# Altium PCB eRTM15_Baikal.PcbDoc (part 7 of 7)
Units mm, origin at the board's own origin, x right, y up, seen from the top; angles counter-clockwise.
Board outline 161.5 x 148.5 mm, 8 copper layers (Top Layer, RF_Layer_1, GND_PWR_Plane, RF_Layer_3, RF_Layer_4, GND_PWR_Plane_2, RF_Layer_6, Bottom Layer), stack 1.462 mm thick; 749 components, 528 nets, 2540 pads, 2420 vias.
Unrouted connection lines stored in the file: 24.
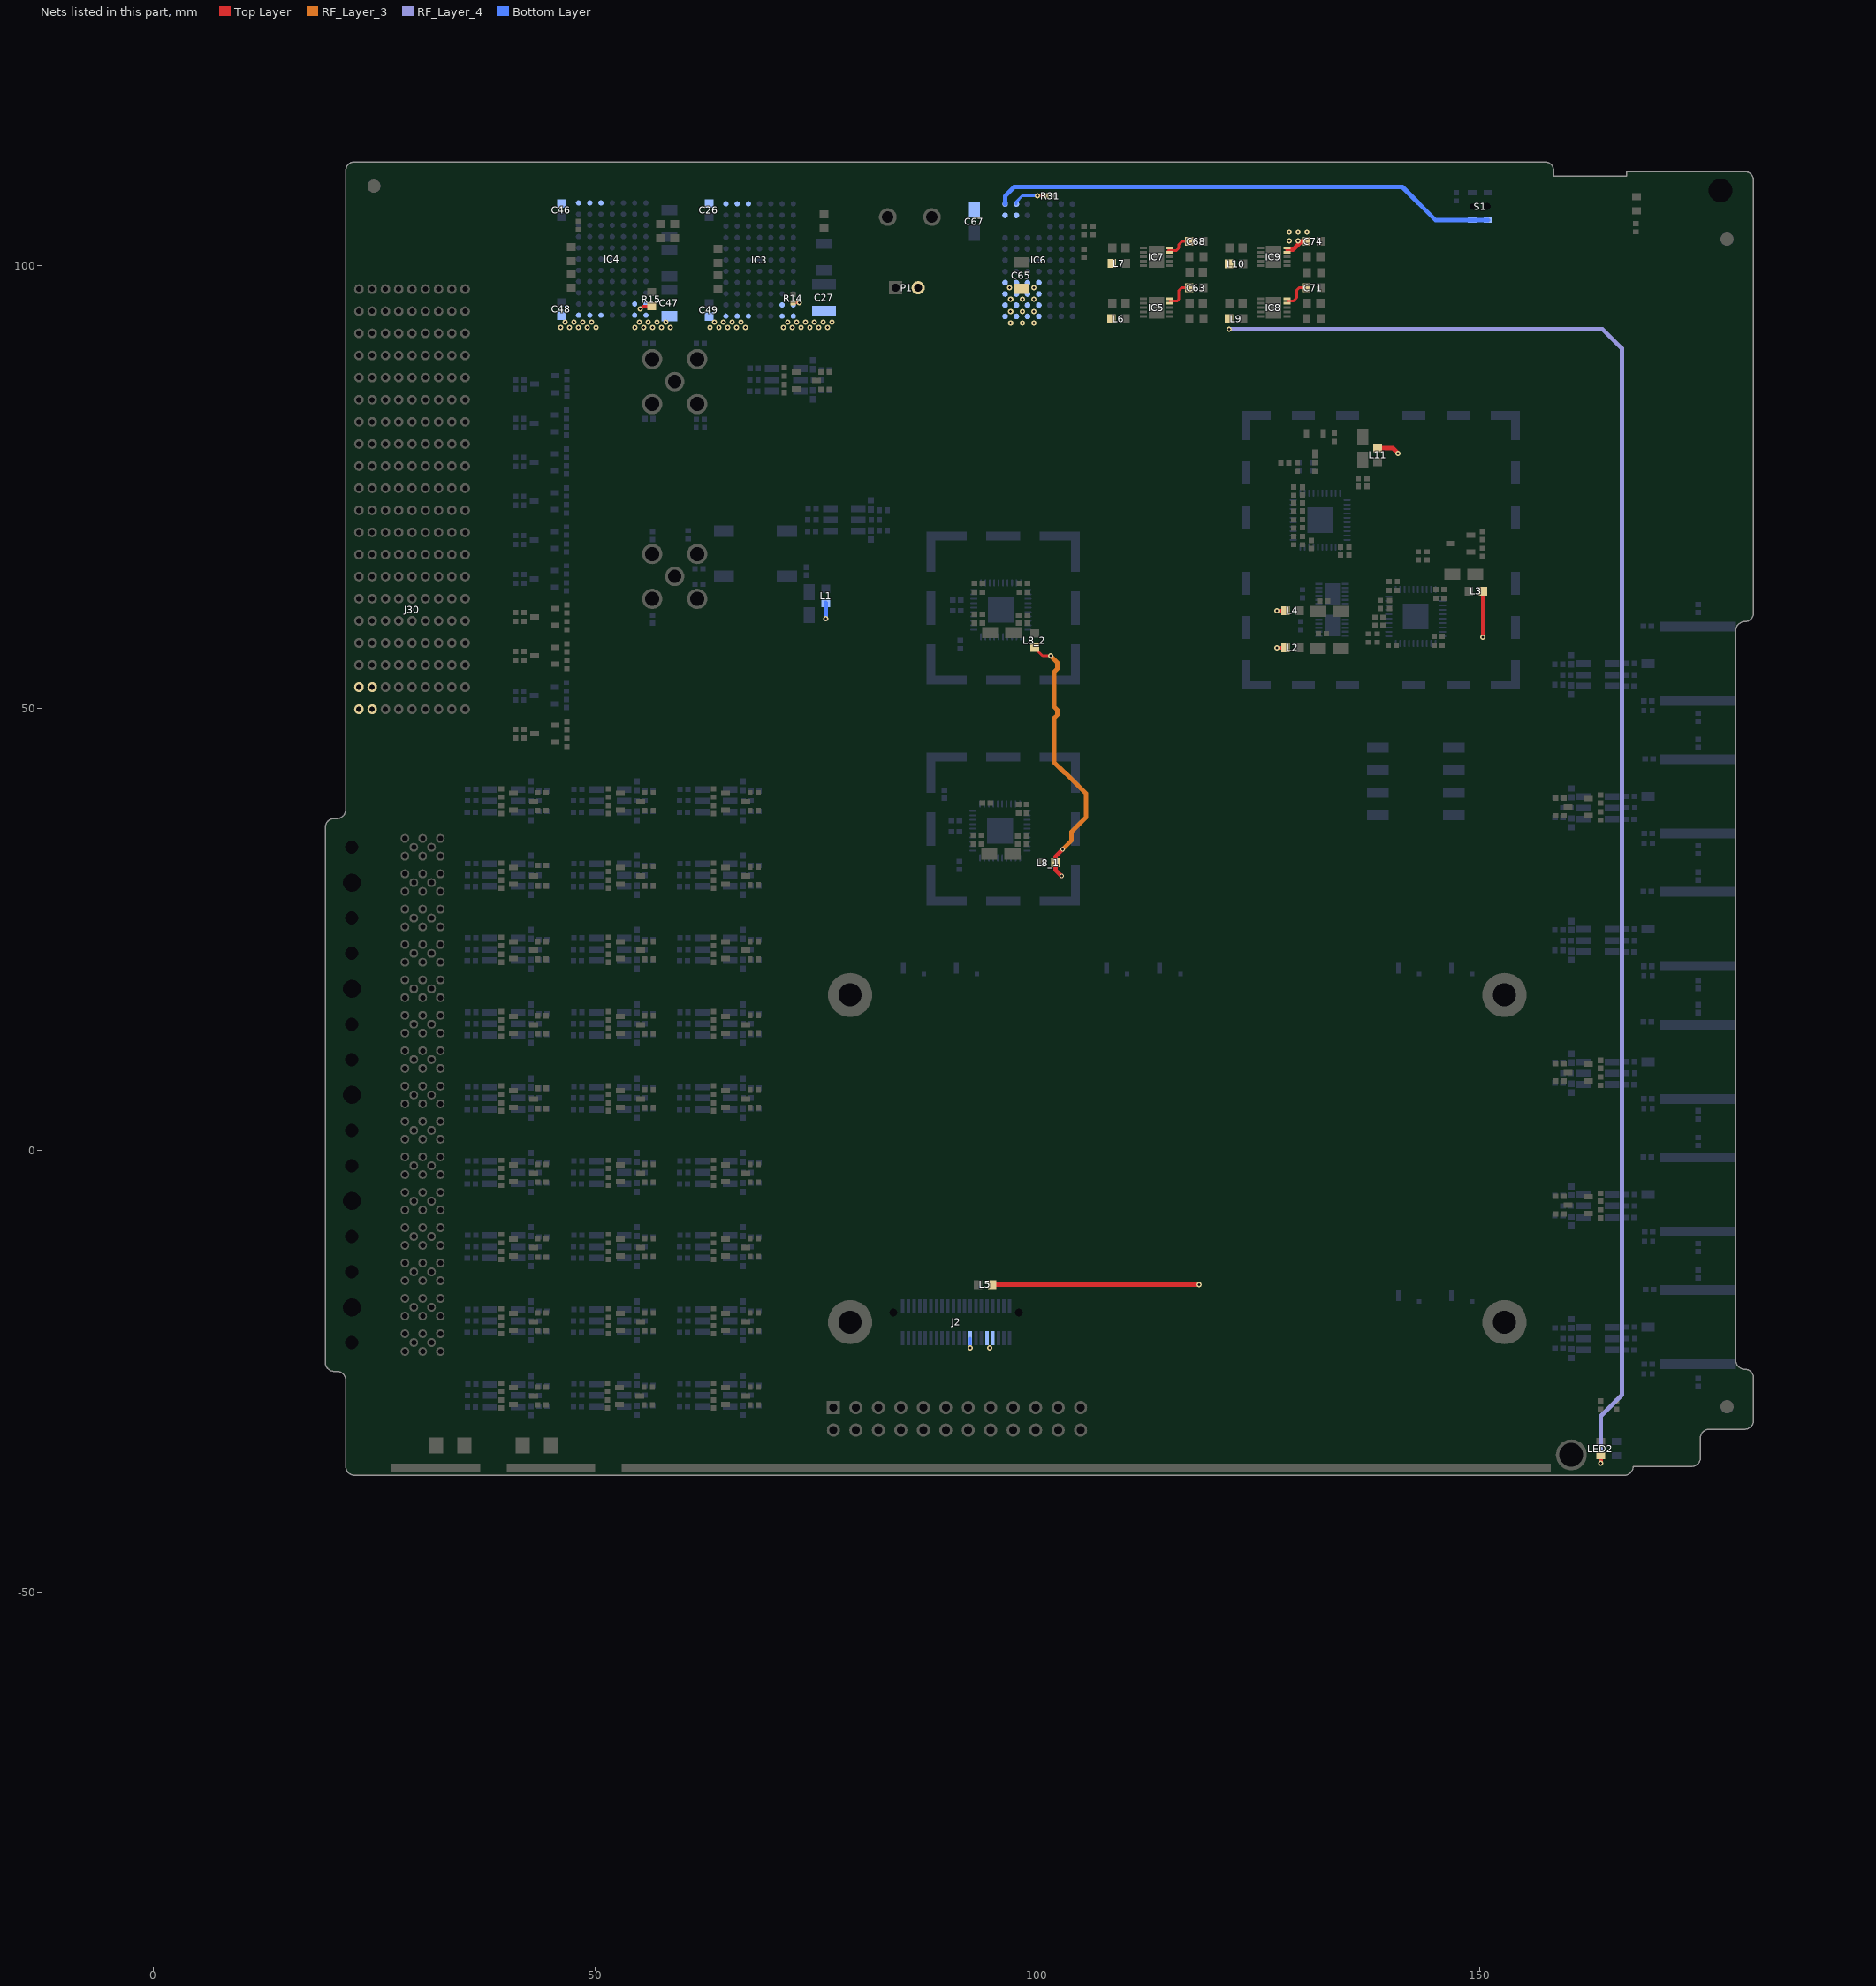
[diagram p13: the nets of this part, all layers, seen from the top]

## Via types
v1: diameter 0.6, hole 0.3, Top Layer to Bottom Layer, 2289 vias
v2: diameter 0.6, hole 0.3, Top Layer to Bottom Layer, tented both sides, 49 vias
v3: diameter 0.5, hole 0.2, Top Layer to Bottom Layer, 36 vias
v4: diameter 0.5, hole 0.3, Top Layer to Bottom Layer, 34 vias
v5: diameter 0.5, hole 0.3, Top Layer to Bottom Layer, tented both sides, 12 vias

## Nets (pads, with @x,y where several pads share a name; then routed paths per layer and width w, separated by ;. In a path a pad name is that pad's centre, name@x,y a point inside that pad or via, vN(x,y) a via of type N, cw(c..) or ccw(c..) an arc to the next point about the centre after c; other vN are vias at no path point) (continued)
VCCP_3V3: C74.2 IC9.9 IC9.10 L1.2 L2.1 L3.2 L4.1 L5.2 L8_1.2 L8_2.2 L11.2 | length 68.5
  Top Layer w0.3: L8_2.2@99.7,56.8 100.6,55.9 v1(101.5,55.9)
  Top Layer w0.381: v1(127.1,56.8) L2.1@128.1,56.8 ; v1(127.1,61) L4.1@128.1,61 ; v1(150.4,58) L3.2@150.4,63.2
  Top Layer w0.5: L5.2@94.9,-15.2 v1(118.3,-15.2) ; v4(102.75,31) 102.05,31.7 L8_1.2@102.05,32.5 102.05,33.2 v4(102.85,34) ; 128.3,101.8 128.9,101.8 129.85,102.75 C74.2@130.45,102.75 ; L11.2@138.5,79.4 140.2,79.4 v1(140.8,78.8)
  RF_Layer_3 w0.5: v1(101.5,55.9) 102.25,55.15 102.25,54.389 101.93,54.07 101.93,50.13 102.25,49.811 102.25,49.189 101.93,48.87 101.93,43.84 103.121,42.65 103.211,42.65 105.512,40.349 105.512,37.643 103.886,36.017 103.886,35.036 v4(102.85,34)
  Bottom Layer w0.5: v1(76.1,60.1) 76.103,60.103 L1.2@76.103,61.87
  other v1: 128.5,102.8 129.5,102.8 128.5,103.8 129.5,103.8 130.5,103.8
VCCP_3V6: C65.1 IC6.A1 IC6.A2 IC6.A3 IC6.A4 IC6.B1 IC6.B2 IC6.B3 IC6.B4 IC6.C1 IC6.C2 IC6.C3 IC6.C4 IC6.D1 IC6.D2 IC6.D3 IC6.D4 L6.1 L7.1 L9.1 L10.1 LED2.1 | length 173.1
  Top Layer w0.5: v1(163.725,-35.375) LED2.1@163.725,-34.55
  RF_Layer_4 w0.5: v1(121.7,92.8) 163.95,92.8 166.1,90.65 166.1,-27.7 163.725,-30.075 v1(163.725,-35.375)
  other v1: 97,93.5 98.3,93.5 99.6,93.5 97,94.8 98.3,94.8 99.6,94.8 97,96.2 98.3,96.2 99.6,96.2 96.9,97.5 99.6,97.5
VCCP_6V0A: C47.2 IC4.K1 IC4.K2 IC4.L1 IC4.L2 J2.31 J2.33 R15.2 | length 1.4
  Top Layer w0.3: v1(55.1,95.1) 55.4,95.4 R15.2@56.4,95.4
  other v1: 94.64,-22.34 54.5,93 55.5,93 56.5,93 57.5,93 58.5,93 55,93.6 56,93.6 57,93.6 58,93.6
VCCP_12V: C26.2 C46.2 C48.2 C49.2 C67.1 IC3.A5 IC3.A6 IC3.A7 IC3.L5 IC3.L6 IC3.L7 IC4.A5 IC4.A6 IC4.A7 IC4.L5 IC4.L6 IC4.L7 IC6.K1 IC6.K2 IC6.L1 IC6.L2 J30.9a J30.9b J30.10a J30.10b P1.2 R31.1 S1.B S1.D | length 61.4
  Top Layer w0.3: v1(100,107.9) R31.1@101.03,107.9
  Bottom Layer w0.3: IC6.L2@97.64,106.97 97.64,107.24 98.3,107.9 v1(100,107.9)
  Bottom Layer w0.5: IC6.L1@96.37,106.97 96.37,107.87 97.4,108.9 141.3,108.9 145.05,105.15 S1.D@149.2,105.15 S1.B@151,105.15
  other v1: 46.1,93 47.1,93 48.1,93 49.1,93 50.1,93 63,93 64,93 65,93 66,93 67,93 46.6,93.6 47.6,93.6 48.6,93.6 49.6,93.6 63.5,93.6 64.5,93.6 65.5,93.6 66.5,93.6
VCCP_12VA: C27.1 IC3.K1 IC3.K2 IC3.L1 IC3.L2 J2.25 R14.2 | length 1.8
  Top Layer w0.3: R14.2@72.4,95.83 73.07,95.83 v1(73.1,95.8)
  Bottom Layer w0.3: J2.25@92.427,-21.24 92.427,-22.327 v1(92.44,-22.34)
  other v1: 71.3,93 72.3,93 73.3,93 74.3,93 75.3,93 76.3,93 71.8,93.6 72.8,93.6 73.8,93.6 74.8,93.6 75.8,93.6 76.8,93.6
VCCP_HFCLK_3V3: C68.2 IC7.9 IC7.10 | length 3.1
  Top Layer w0.3: 114.8,101.7 115.7,101.7 116,102 116,102.4 116.35,102.75 C68.2@117.2,102.75
VCCP_LO_3V3: C71.2 IC8.9 IC8.10 | length 3.2
  Top Layer w0.3: 128.4,96 128.95,96 129.35,96.4 129.35,97.25 129.6,97.5 C71.2@130.45,97.5
VCCP_REF_3V3: C63.2 IC5.9 IC5.10 | length 3.4
  Top Layer w0.3: 115,96 115.8,96 116,96.2 116,97.2 116.3,97.5 C63.2@117.2,97.5
pads on no net: IC3.C7 IC3.D6 IC3.F3 IC3.F4 IC3.G6 IC3.H6 IC3.J7 IC4.C7 IC4.D6 IC4.F3 IC4.F4 IC4.G6 IC4.H6 IC4.J7 IC5.4 IC6.H7 IC6.K3 IC6.K7 IC6.L3 IC7.4 IC8.4 IC9.4 J1_15. J2.19 J2.27 J2.28 J2.34 J2.37 J2.38 J2.39 J2.40 J2.P1 J2.P2 J2_15. J3_15. J4_15. J5_15. J5_15.A/1C J5_15.B/1B J5_15.B/1C J30.1a J30.1b J30.1e J30.1f J30.2c J30.2d J30.2e J30.2f J30.3a J30.3b J30.4a J30.4b J30.4e J30.4f J30.5a J30.5b J30.6a J30.6b J30.6c J30.6d J30.7e J30.7f J30.8a J30.8b J30.8c J30.8d J30.8e J30.8f J30.9c J30.9d J30.9e J30.9f J30.10c J30.10d J30.10e J30.10f J31.1a J31.1b J31.1c J31.1d J31.1e J31.1f J31.2a J31.2b J31.2c J31.4a J31.4b J31.4c J31.4d J31.4e J31.4f J31.5a J31.5b J31.5c J31.5d J31.5e J31.5f J31.6a J31.6b J31.6c J31.6d J31.6e J31.6f J31.7a J31.7b J31.7c J31.7d J31.7e J31.7f J31.8a J31.8b J31.8c J31.8d J31.8e J31.8f J31.9a J31.9b J31.9c J31.9d J31.10a J31.10b J31.10c J31.10d J31.10e J31.10f LED0.1 LED1.1 P2.19 U1.12 U1.13
copper on no net: | length 531.3
  Top Layer w0.2: -9,-42.05 -1,-42.05 ; -9,119.95 -1,119.95 ; -5,-46.05 -5,-38.05 ; -5,115.95 -5,123.95 ; 182,119.95 190,119.95 182,119.95 ; 186,115.95 186,123.95 186,115.95
  Top Layer w0.254: 187.5,119.95 ccw(c186,119.95) 187.5,119.95 ; 187.5,119.95 ccw(c186,119.95) 187.5,119.95 ; 189,119.95 ccw(c186,119.95) 189,119.95 ; 189,119.95 ccw(c186,119.95) 189,119.95 ; -3.5,-42.05 ccw(c-5,-42.05) -3.5,-42.05 ; -3.5,119.95 ccw(c-5,119.95) -3.5,119.95 ; -2,-42.05 ccw(c-5,-42.05) -2,-42.05 ; -2,119.95 ccw(c-5,119.95) -2,119.95
  RF_Layer_1 w0.2: -9,119.95 -1,119.95 ; -5,115.95 -5,123.95 ; 182,119.95 190,119.95 ; 186,115.95 186,123.95 ; -9,-42.05 -1,-42.05 -9,-42.05 ; -5,-46.05 -5,-38.05 -5,-46.05
  RF_Layer_1 w0.254: -3.5,-42.05 ccw(c-5,-42.05) -3.5,-42.05 ; -3.5,-42.05 ccw(c-5,-42.05) -3.5,-42.05 ; -2,-42.05 ccw(c-5,-42.05) -2,-42.05 ; -2,-42.05 ccw(c-5,-42.05) -2,-42.05 ; -3.5,119.95 ccw(c-5,119.95) -3.5,119.95 ; -2,119.95 ccw(c-5,119.95) -2,119.95 ; 187.5,119.95 ccw(c186,119.95) 187.5,119.95 ; 189,119.95 ccw(c186,119.95) 189,119.95
  Bottom Layer w0.2: -9,119.95 -1,119.95 ; -5,115.95 -5,123.95 ; 182,119.95 190,119.95 ; 186,115.95 186,123.95 ; -9,-42.05 -1,-42.05 -9,-42.05 ; -5,-46.05 -5,-38.05 -5,-46.05
  Bottom Layer w0.254: -3.5,-42.05 ccw(c-5,-42.05) -3.5,-42.05 ; -3.5,-42.05 ccw(c-5,-42.05) -3.5,-42.05 ; -2,-42.05 ccw(c-5,-42.05) -2,-42.05 ; -2,-42.05 ccw(c-5,-42.05) -2,-42.05 ; -3.5,119.95 ccw(c-5,119.95) -3.5,119.95 ; -2,119.95 ccw(c-5,119.95) -2,119.95 ; 187.5,119.95 ccw(c186,119.95) 187.5,119.95 ; 189,119.95 ccw(c186,119.95) 189,119.95

## Polygon pours and split planes (outlines as drawn)
GND on RF_Layer_1 "MidLayer1_GND_Poly" (solid, remove dead copper, pour order 57): 19.5,-24 ccw(c20.5,-24) 20.5,-25 20.8,-25 cw(c20.8,-26) 21.8,-26 21.8,-35.75 ccw(c22.8,-35.75) 22.8,-36.75 166.4,-36.75 166.404,-36.751 ccw(c166.404,-35.751) 167.404,-35.751 174.004,-35.751 ccw(c174.004,-34.751) 175.004,-34.751 175,-34.751 175,-32.55 cw(c176,-32.55) 176,-31.55 180,-31.55 ccw(c180,-30.55) 181,-30.55 181,-25.75 ccw(c180,-25.75) 180,-24.75 cw(c180,-23.75) 179,-23.75 179,58.75 cw(c180,58.75) 180,59.75 ccw(c180,60.75) 181,60.75 181,109.65 181.001,109.649 ccw(c180.001,109.649) 180.001,110.649 180,110.65 166.65,110.65 166.65,110.149 158.4,110.149 158.4,110.75 ccw(c157.4,110.75) 157.4,111.75 22.8,111.75 ccw(c22.8,110.75) 21.8,110.75 21.8,38.5 cw(c20.8,38.5) 20.8,37.5 20.5,37.5 ccw(c20.5,36.5) 19.5,36.5
GND on RF_Layer_1 "MidLayer1-GND" (solid, pour order 42): 19.5,-24 ccw(c20.5,-24) 20.5,-25 20.8,-25 cw(c20.8,-26) 21.8,-26 21.8,-35.75 ccw(c22.8,-35.75) 22.8,-36.75 166.4,-36.75 166.404,-36.751 ccw(c166.404,-35.751) 167.404,-35.751 174.004,-35.751 ccw(c174.004,-34.751) 175.004,-34.751 175.004,-32.546 175,-32.55 cw(c176,-32.55) 176,-31.55 180,-31.55 ccw(c180,-30.55) 181,-30.55 181,-25.75 ccw(c180,-25.75) 180,-24.75 cw(c180,-23.75) 179,-23.75 179,58.75 cw(c180,58.75) 180,59.75 ccw(c180,60.75) 181,60.75 181,109.65 ccw(c180,109.65) 180,110.65 166.65,110.65 166.65,110.649 166.65,110.149 158.4,110.149 158.4,110.75 ccw(c157.4,110.75) 157.4,111.75 22.8,111.75 ccw(c22.8,110.75) 21.8,110.75 21.8,38.5 cw(c20.8,38.5) 20.8,37.5 20.5,37.5 ccw(c20.5,36.5) 19.5,36.5
GND on RF_Layer_3 "MidLayer3_GND_Poly" (solid, remove dead copper, pour order 59): 19.5,-24 ccw(c20.5,-24) 20.5,-25 20.8,-25 cw(c20.8,-26) 21.8,-26 21.8,-35.75 ccw(c22.8,-35.75) 22.8,-36.75 166.4,-36.75 166.404,-36.751 ccw(c166.404,-35.751) 167.404,-35.751 174.004,-35.751 ccw(c174.004,-34.751) 175.004,-34.751 175,-34.751 175,-32.55 cw(c176,-32.55) 176,-31.55 180,-31.55 ccw(c180,-30.55) 181,-30.55 181,-25.75 ccw(c180,-25.75) 180,-24.75 cw(c180,-23.75) 179,-23.75 179,58.75 cw(c180,58.75) 180,59.75 ccw(c180,60.75) 181,60.75 181,109.65 181.001,109.649 ccw(c180.001,109.649) 180.001,110.649 180,110.65 166.65,110.65 166.65,110.149 158.4,110.149 158.4,110.75 ccw(c157.4,110.75) 157.4,111.75 22.8,111.75 ccw(c22.8,110.75) 21.8,110.75 21.8,38.5 cw(c20.8,38.5) 20.8,37.5 20.5,37.5 ccw(c20.5,36.5) 19.5,36.5
GND on RF_Layer_3 "MidLayer3-GND" (solid, pour order 45): 19.5,-24 ccw(c20.5,-24) 20.5,-25 20.8,-25 cw(c20.8,-26) 21.8,-26 21.8,-35.75 ccw(c22.8,-35.75) 22.8,-36.75 166.4,-36.75 166.404,-36.751 ccw(c166.404,-35.751) 167.404,-35.751 174.004,-35.751 ccw(c174.004,-34.751) 175.004,-34.751 175.004,-32.546 175,-32.55 cw(c176,-32.55) 176,-31.55 180,-31.55 ccw(c180,-30.55) 181,-30.55 181,-25.75 ccw(c180,-25.75) 180,-24.75 cw(c180,-23.75) 179,-23.75 179,58.75 cw(c180,58.75) 180,59.75 ccw(c180,60.75) 181,60.75 181,109.65 ccw(c180,109.65) 180,110.65 166.65,110.65 166.65,110.649 166.65,110.149 158.4,110.149 158.4,110.75 ccw(c157.4,110.75) 157.4,111.75 22.8,111.75 ccw(c22.8,110.75) 21.8,110.75 21.8,38.5 cw(c20.8,38.5) 20.8,37.5 20.5,37.5 ccw(c20.5,36.5) 19.5,36.5
no net on Top Layer "Top_Layer_GND_Poly" (solid, remove dead copper, pour order 53): 19.5,-24 ccw(c20.5,-24) 20.5,-25 20.8,-25 cw(c20.8,-26) 21.8,-26 21.8,-35.75 ccw(c22.8,-35.75) 22.8,-36.75 166.4,-36.75 166.404,-36.751 ccw(c166.404,-35.751) 167.404,-35.751 174.004,-35.751 ccw(c174.004,-34.751) 175.004,-34.751 175,-34.751 175,-32.55 cw(c176,-32.55) 176,-31.55 180,-31.55 ccw(c180,-30.55) 181,-30.55 181,-25.75 ccw(c180,-25.75) 180,-24.75 cw(c180,-23.75) 179,-23.75 179,58.75 cw(c180,58.75) 180,59.75 ccw(c180,60.75) 181,60.75 181,109.65 181.001,109.649 ccw(c180.001,109.649) 180.001,110.649 180,110.65 166.65,110.65 166.65,110.149 158.4,110.149 158.4,110.75 ccw(c157.4,110.75) 157.4,111.75 22.8,111.75 ccw(c22.8,110.75) 21.8,110.75 21.8,38.5 cw(c20.8,38.5) 20.8,37.5 20.5,37.5 ccw(c20.5,36.5) 19.5,36.5
GND on Top Layer "Top Layer-GND" (solid, pour order 37): 19.5,-24 ccw(c20.5,-24) 20.5,-25 20.8,-25 cw(c20.8,-26) 21.8,-26 21.8,-35.75 ccw(c22.8,-35.75) 22.8,-36.75 166.4,-36.75 166.404,-36.751 ccw(c166.404,-35.751) 167.404,-35.751 174.004,-35.751 ccw(c174.004,-34.751) 175.004,-34.751 175.004,-32.546 175,-32.55 cw(c176,-32.55) 176,-31.55 180,-31.55 ccw(c180,-30.55) 181,-30.55 181,-25.75 ccw(c180,-25.75) 180,-24.75 cw(c180,-23.75) 179,-23.75 179,58.75 cw(c180,58.75) 180,59.75 ccw(c180,60.75) 181,60.75 181,109.65 ccw(c180,109.65) 180,110.65 166.65,110.65 166.65,110.649 166.65,110.149 158.4,110.149 158.4,110.75 ccw(c157.4,110.75) 157.4,111.75 22.8,111.75 ccw(c22.8,110.75) 21.8,110.75 21.8,38.5 cw(c20.8,38.5) 20.8,37.5 20.5,37.5 ccw(c20.5,36.5) 19.5,36.5
GND on RF_Layer_4 "MidLayer4_GND_Poly" (solid, remove dead copper, pour order 61): 19.5,-24 ccw(c20.5,-24) 20.5,-25 20.8,-25 cw(c20.8,-26) 21.8,-26 21.8,-35.75 ccw(c22.8,-35.75) 22.8,-36.75 166.4,-36.75 166.404,-36.751 ccw(c166.404,-35.751) 167.404,-35.751 174.004,-35.751 ccw(c174.004,-34.751) 175.004,-34.751 175,-34.751 175,-32.55 cw(c176,-32.55) 176,-31.55 180,-31.55 ccw(c180,-30.55) 181,-30.55 181,-25.75 ccw(c180,-25.75) 180,-24.75 cw(c180,-23.75) 179,-23.75 179,58.75 cw(c180,58.75) 180,59.75 ccw(c180,60.75) 181,60.75 181,109.65 181.001,109.649 ccw(c180.001,109.649) 180.001,110.649 180,110.65 166.65,110.65 166.65,110.149 158.4,110.149 158.4,110.75 ccw(c157.4,110.75) 157.4,111.75 22.8,111.75 ccw(c22.8,110.75) 21.8,110.75 21.8,38.5 cw(c20.8,38.5) 20.8,37.5 20.5,37.5 ccw(c20.5,36.5) 19.5,36.5
GND on RF_Layer_4 "MidLayer4-GND" (solid, pour order 46): 19.5,-24 ccw(c20.5,-24) 20.5,-25 20.8,-25 cw(c20.8,-26) 21.8,-26 21.8,-35.75 ccw(c22.8,-35.75) 22.8,-36.75 166.4,-36.75 166.404,-36.751 ccw(c166.404,-35.751) 167.404,-35.751 174.004,-35.751 ccw(c174.004,-34.751) 175.004,-34.751 175.004,-32.546 175,-32.55 cw(c176,-32.55) 176,-31.55 180,-31.55 ccw(c180,-30.55) 181,-30.55 181,-25.75 ccw(c180,-25.75) 180,-24.75 cw(c180,-23.75) 179,-23.75 179,58.75 cw(c180,58.75) 180,59.75 ccw(c180,60.75) 181,60.75 181,109.65 ccw(c180,109.65) 180,110.65 166.65,110.65 166.65,110.649 166.65,110.149 158.4,110.149 158.4,110.75 ccw(c157.4,110.75) 157.4,111.75 22.8,111.75 ccw(c22.8,110.75) 21.8,110.75 21.8,38.5 cw(c20.8,38.5) 20.8,37.5 20.5,37.5 ccw(c20.5,36.5) 19.5,36.5
GND on RF_Layer_6 "MidLayer6_GND_Poly" (solid, remove dead copper, pour order 65): 19.5,-24 ccw(c20.5,-24) 20.5,-25 20.8,-25 cw(c20.8,-26) 21.8,-26 21.8,-35.75 ccw(c22.8,-35.75) 22.8,-36.75 166.4,-36.75 166.404,-36.751 ccw(c166.404,-35.751) 167.404,-35.751 174.004,-35.751 ccw(c174.004,-34.751) 175.004,-34.751 175,-34.751 175,-32.55 cw(c176,-32.55) 176,-31.55 180,-31.55 ccw(c180,-30.55) 181,-30.55 181,-25.75 ccw(c180,-25.75) 180,-24.75 cw(c180,-23.75) 179,-23.75 179,58.75 cw(c180,58.75) 180,59.75 ccw(c180,60.75) 181,60.75 181,109.65 181.001,109.649 ccw(c180.001,109.649) 180.001,110.649 180,110.65 166.65,110.65 166.65,110.149 158.4,110.149 158.4,110.75 ccw(c157.4,110.75) 157.4,111.75 22.8,111.75 ccw(c22.8,110.75) 21.8,110.75 21.8,38.5 cw(c20.8,38.5) 20.8,37.5 20.5,37.5 ccw(c20.5,36.5) 19.5,36.5
GND on RF_Layer_6 "MidLayer6-GND" (solid, pour order 49): 19.5,-24 ccw(c20.5,-24) 20.5,-25 20.8,-25 cw(c20.8,-26) 21.8,-26 21.8,-35.75 ccw(c22.8,-35.75) 22.8,-36.75 166.4,-36.75 166.404,-36.751 ccw(c166.404,-35.751) 167.404,-35.751 174.004,-35.751 ccw(c174.004,-34.751) 175.004,-34.751 175.004,-32.546 175,-32.55 cw(c176,-32.55) 176,-31.55 180,-31.55 ccw(c180,-30.55) 181,-30.55 181,-25.75 ccw(c180,-25.75) 180,-24.75 cw(c180,-23.75) 179,-23.75 179,58.75 cw(c180,58.75) 180,59.75 ccw(c180,60.75) 181,60.75 181,109.65 ccw(c180,109.65) 180,110.65 166.65,110.65 166.65,110.649 166.65,110.149 158.4,110.149 158.4,110.75 ccw(c157.4,110.75) 157.4,111.75 22.8,111.75 ccw(c22.8,110.75) 21.8,110.75 21.8,38.5 cw(c20.8,38.5) 20.8,37.5 20.5,37.5 ccw(c20.5,36.5) 19.5,36.5
GND on Bottom Layer "BottomLayer_GND_Poly" (solid, remove dead copper, pour order 67): 19.5,-24 ccw(c20.5,-24) 20.5,-25 20.8,-25 cw(c20.8,-26) 21.8,-26 21.8,-35.75 ccw(c22.8,-35.75) 22.8,-36.75 166.4,-36.75 166.404,-36.751 ccw(c166.404,-35.751) 167.404,-35.751 174.004,-35.751 ccw(c174.004,-34.751) 175.004,-34.751 175,-34.751 175,-32.55 cw(c176,-32.55) 176,-31.55 180,-31.55 ccw(c180,-30.55) 181,-30.55 181,-25.75 ccw(c180,-25.75) 180,-24.75 cw(c180,-23.75) 179,-23.75 179,58.75 cw(c180,58.75) 180,59.75 ccw(c180,60.75) 181,60.75 181,109.65 181.001,109.649 ccw(c180.001,109.649) 180.001,110.649 180,110.65 166.65,110.65 166.65,110.149 158.4,110.149 158.4,110.75 ccw(c157.4,110.75) 157.4,111.75 22.8,111.75 ccw(c22.8,110.75) 21.8,110.75 21.8,38.5 cw(c20.8,38.5) 20.8,37.5 20.5,37.5 ccw(c20.5,36.5) 19.5,36.5
GND on Bottom Layer "Bottom Layer-GND" (solid, pour order 50): 19.5,-24 ccw(c20.5,-24) 20.5,-25 20.8,-25 cw(c20.8,-26) 21.8,-26 21.8,-35.75 ccw(c22.8,-35.75) 22.8,-36.75 166.4,-36.75 166.404,-36.751 ccw(c166.404,-35.751) 167.404,-35.751 174.004,-35.751 ccw(c174.004,-34.751) 175.004,-34.751 175.004,-32.546 175,-32.55 cw(c176,-32.55) 176,-31.55 180,-31.55 ccw(c180,-30.55) 181,-30.55 181,-25.75 ccw(c180,-25.75) 180,-24.75 cw(c180,-23.75) 179,-23.75 179,58.75 cw(c180,58.75) 180,59.75 ccw(c180,60.75) 181,60.75 181,109.65 ccw(c180,109.65) 180,110.65 166.65,110.65 166.65,110.649 166.65,110.149 158.4,110.149 158.4,110.75 ccw(c157.4,110.75) 157.4,111.75 22.8,111.75 ccw(c22.8,110.75) 21.8,110.75 21.8,38.5 cw(c20.8,38.5) 20.8,37.5 20.5,37.5 ccw(c20.5,36.5) 19.5,36.5
VCCP_3V3 on GND_PWR_Plane (split plane): 142.771,80.1 142.78,80.05 142.808,80.008 142.85,79.98 142.9,79.971 151.371,79.971 151.371,59.5 151.371,53.329 74.829,53.329 74.829,62.371 77.271,62.371 77.271,58.5 77.28,58.45 77.308,58.408 77.35,58.38 77.4,58.371 100.271,58.371 100.271,56.8 100.28,56.75 100.308,56.708 100.35,56.68 100.4,56.671 105.1,56.671 105.15,56.68 105.192,56.708 105.22,56.75 105.229,56.8 105.229,61.671 130.071,61.671 130.071,59.5 130.08,59.45 130.108,59.408 130.15,59.38 130.2,59.371 148.2,59.371 148.25,59.38 148.292,59.408 148.32,59.45 148.329,59.5 148.329,77.5 148.32,77.55 148.292,77.592 148.25,77.62 148.2,77.629 139.829,77.629 139.829,80.1 139.829,99.8 139.82,99.85 139.792,99.892 139.75,99.92 139.7,99.929 126.929,99.929 126.929,105.071 142.771,105.071
VCCP_12V on GND_PWR_Plane (split plane): 87.871,90.229 25.7,90.229 25.65,90.22 25.608,90.192 25.58,90.15 25.571,90.1 25.571,48.429 22.729,48.429 22.729,94.171 51.371,94.171 51.371,92.3 51.38,92.25 51.408,92.208 51.45,92.18 51.5,92.171 62.1,92.171 62.15,92.18 62.192,92.208 62.22,92.25 62.229,92.3 62.229,94.271 68.471,94.271 68.471,92.4 68.48,92.35 68.508,92.308 68.55,92.28 68.6,92.271 85.5,92.271 85.55,92.28 85.592,92.308 85.62,92.35 85.629,92.4 85.629,93.9 85.629,98.871 87.871,98.871
GND on GND_PWR_Plane (split plane): 644 vertices, not listed, extent 20.01,-36.241 180.49,111.24
VCCP_3V3 on GND_PWR_Plane_2 (split plane): 119.599,55.711 119.593,55.707 119.569,55.676 119.554,55.639 119.549,55.6 119.554,55.561 119.569,55.524 119.571,55.522 119.571,-16.471 115.529,-16.471 115.529,-13.829 117.522,-13.829 117.524,-13.831 117.561,-13.846 117.6,-13.851 117.639,-13.846 117.676,-13.831 117.707,-13.807 117.731,-13.776 117.746,-13.739 117.751,-13.7 117.751,29.25 117.746,29.289 117.731,29.326 117.707,29.357 117.676,29.381 117.639,29.396 117.6,29.401 101.651,29.401 101.651,34.849 117.6,34.849 117.639,34.854 117.676,34.869 117.707,34.893 117.731,34.924 117.746,34.961 117.751,35 117.751,53.5 117.746,53.539 117.731,53.576 117.707,53.607 117.676,53.631 117.639,53.646 117.6,53.651 100.651,53.651 100.651,57.599 119.599,57.599
VCCN_12VA on GND_PWR_Plane_2 (split plane): 80.171,24.6 80.18,24.55 80.208,24.508 80.25,24.48 80.3,24.471 94.371,24.471 94.371,-16.371 93.1,-16.371 93.05,-16.38 93.008,-16.408 92.98,-16.45 92.971,-16.5 92.971,-19.671 91.829,-19.671 91.829,-18.2 91.829,-15.829 93,-15.829 93.05,-15.82 93.092,-15.792 93.12,-15.75 93.129,-15.7 93.129,22.7 93.12,22.75 93.092,22.792 93.05,22.82 93,22.829 78.029,22.829 78.029,100.7 78.02,100.75 77.992,100.792 77.95,100.82 77.9,100.829 72.829,100.829 72.829,103.071 80.171,103.071
VCCP_12VA on GND_PWR_Plane_2 (split plane): 77.771,22.7 77.78,22.65 77.808,22.608 77.85,22.58 77.9,22.571 92.871,22.571 92.871,-15.571 91.7,-15.571 91.65,-15.58 91.608,-15.608 91.58,-15.65 91.571,-15.7 91.571,-18.2 91.571,-19.8 91.58,-19.85 91.608,-19.892 91.65,-19.92 91.7,-19.929 92.971,-19.929 92.971,-22.871 89.629,-22.871 89.629,-12.129 91.9,-12.129 91.95,-12.12 91.992,-12.092 92.02,-12.05 92.029,-12 92.029,21.5 92.02,21.55 91.992,21.592 91.95,21.62 91.9,21.629 76.929,21.629 76.929,89.2 76.92,89.25 76.892,89.292 76.85,89.32 76.8,89.329 70.429,89.329 70.429,94.071 77.771,94.071
VCCN_6V0A on GND_PWR_Plane_2 (split plane): 85.171,102.1 85.18,102.05 85.198,102.024 85.198,95.702 84.476,95.702 84.45,95.72 84.4,95.729 84.35,95.72 84.308,95.692 84.28,95.65 84.271,95.6 84.271,69.329 83.4,69.329 83.35,69.32 83.308,69.292 83.28,69.25 83.271,69.2 83.271,26.9 83.28,26.85 83.308,26.808 83.35,26.78 83.4,26.771 97.171,26.771 97.171,-18.046 95.346,-19.871 93.929,-19.871 93.929,-18.654 96.092,-16.492 96.12,-16.45 96.129,-16.4 96.129,26 96.12,26.05 96.092,26.092 96.05,26.12 96,26.129 82.029,26.129 82.029,95.476 82.05,95.48 82.092,95.508 82.12,95.55 82.129,95.6 82.129,102.1 82.12,102.15 82.092,102.192 82.05,102.22 82.029,102.224 82.029,106.1 82.02,106.15 81.992,106.192 81.95,106.22 81.9,106.229 61.1,106.229 61.05,106.22 61.008,106.192 60.98,106.15 60.971,106.1 60.971,101.629 56.529,101.629 56.529,108.071 85.171,108.071
VCCP_6V0A on GND_PWR_Plane_2 (split plane): 81.771,26 81.78,25.95 81.808,25.908 81.85,25.88 81.9,25.871 95.871,25.871 95.871,-16.346 93.708,-18.508 93.68,-18.55 93.671,-18.6 93.671,-20 93.68,-20.05 93.708,-20.092 93.75,-20.12 93.8,-20.129 95.271,-20.129 95.271,-22.871 93.229,-22.871 93.229,-19.8 93.229,-16.629 94.5,-16.629 94.55,-16.62 94.592,-16.592 94.62,-16.55 94.629,-16.5 94.629,24.6 94.62,24.65 94.592,24.692 94.55,24.72 94.5,24.729 80.429,24.729 80.429,103.2 80.42,103.25 80.392,103.292 80.35,103.32 80.3,103.329 72.7,103.329 72.65,103.32 72.608,103.292 72.58,103.25 72.571,103.2 72.571,100.7 72.58,100.65 72.608,100.608 72.65,100.58 72.7,100.571 77.771,100.571 77.771,94.329 70.429,94.329 70.429,95 70.42,95.05 70.392,95.092 70.35,95.12 70.3,95.129 60.2,95.129 60.15,95.12 60.108,95.092 60.08,95.05 60.071,95 60.071,91.929 53.629,91.929 53.629,96.671 71.1,96.671 71.15,96.68 71.192,96.708 71.22,96.75 71.229,96.8 71.229,105.971 81.771,105.971
GND on GND_PWR_Plane_2 (split plane): 644 vertices, not listed, extent 20.01,-36.241 180.49,111.24

## Keep-outs
Keep-Out Layer:
  circle w0.254: c-5,119.95 r3
  circle w0.254: c-5,119.95 r1.5
  circle w0.254: c186,119.95 r3
  circle w0.254: c186,119.95 r1.5
  circle w0.254: c-5,-42.05 r3
  circle w0.254: c-5,-42.05 r1.5
  lines w0.05: 166.4,-36.75 22.8,-36.75 cw(c22.8,-35.75) 21.8,-35.75 21.8,-26 ccw(c20.8,-26) 20.8,-25 20.5,-25 cw(c20.5,-24) 19.5,-24 19.5,36.5 cw(c20.5,36.5) 20.5,37.5 20.8,37.5 ccw(c20.8,38.5) 21.8,38.5 21.8,47.35 21.8,49.35 21.8,108 21.8,110 21.8,110.75 cw(c22.8,110.75) 22.8,111.75 157.4,111.75 cw(c157.4,110.75) 158.4,110.75 158.4,110.149 166.65,110.149 166.65,110.65 180,110.65 180.001,110.649 cw(c180.001,109.649) 181.001,109.649 ; 166.404,-36.751 ccw(c166.404,-35.751) 167.404,-35.751 174.004,-35.751 ccw(c174.004,-34.751) 175.004,-34.751 ; 175,-34.751 175,-32.55 cw(c176,-32.55) 176,-31.55 ; 175.981,-31.55 180,-31.55 ; 180,-31.55 ccw(c180,-30.55) 181,-30.55 181,-25.75 ccw(c180,-25.75) 180,-24.75 cw(c180,-23.75) 179,-23.75 179,58.75 cw(c180,58.75) 180,59.75 ccw(c180,60.75) 181,60.75 181,109.65 ; 154.904,106.149 cw(c154.904,106.949) 154.904,107.749 163.904,107.749 cw(c163.904,106.949) 163.904,106.149 154.904,106.149
  lines w0.2: -9,-42.05 -1,-42.05 ; -9,119.95 -1,119.95 ; -5,-46.05 -5,-38.05 ; -5,115.95 -5,123.95 ; 182,119.95 190,119.95 ; 186,115.95 186,123.95
  text ".Layer_Name" at 1,137.95 h1.5

## Other copper
Top Layer:
  rectangle net NetC22_1: 129.2,60.3 132.7,61.5
  rectangle net VCCP_3V6: 120,93.6 121,100.8
  rectangle net VCCP_3V6: 108.4,92 122.3,92.8
  rectangle net VCCP_3V6: 106.6,93.4 107.7,99.6
  rectangle net VCCP_3V6: 120,92.2 122.3,94.6
  rectangle net VCCP_3V6: 120,98.4 122.3,100.8
  rectangle net VCCP_3V6: 96.4,92 109,94.6
  rectangle net VCCP_3V6: 106.6,98.5 109,100.9
  rectangle net VCCP_REF_3V3: 114.6,95.6 115.4,96.4
  rectangle net NetC66_2: 116.6,93.5 117.8,96.3
  rectangle net NetC64_2: 109.4,95.1 112.4,96.4
  rectangle net NetC64_2: 109.4,93.4 110.6,96.4
  rectangle net NetC69_2: 109.7,100.9 112.4,102.1
  rectangle net NetC69_2: 109.5,99.7 110.6,102.5
  rectangle net NetC70_2: 116.7,98.7 117.8,101.6
  rectangle net VCCP_HFCLK_3V3: 114.6,101.4 115.4,102.3
  rectangle net NetC73_2: 130,93.5 131,96.3
  rectangle net NetC72_2: 122.7,95.25 125.25,96.3
  rectangle net NetC72_2: 122.7,93.5 123.8,96.3
  rectangle net NetC72_2: 124.9,95.1 125.6,96.4
  rectangle net VCCP_LO_3V3: 127.9,95.7 128.6,96.4
  rectangle net VCCP_3V3: 127.9,101.4 128.6,102.1
  rectangle net NetC75_2: 123.3,100.9 125.6,102.1
  rectangle net NetC75_2: 122.8,99.7 123.9,102.5
  rectangle net NetC76_2: 130,98.7 131,101.5
  rectangle net VCCP_3V6: 96.4,94 100.2,98
  rectangle net NetIC6_J7: 104.9,104.1 106.7,105.5
  rectangle net VCCN_6V0A: 56.8,101.5 60.5,103.6
  rectangle net NetIC4_C1: 56.8,104.1 60.5,105.2
  rectangle net NetJ17_1: 80.4,95.9 85.5,108
  rectangle net NetESD1_1: 31.2,-36 32.8,-32.5
  rectangle net NetESD2_1: 44.2,-36 45.8,-32.5
  region net NetC52_2_1: 96.4,57.9 96.4,59.2 96.5,59.3 97.3,59.3 97.5,59.5 97.5,59.8 97.6,59.9 100.1,59.9 100.2,59.8 100.2,57.9 100.1,57.8 96.5,57.8
  region net VCCP_3V3: 127.9,101.4 127.9,103.9 128.3,104.3 130.8,104.3 131,104.1 131,102.2 130.9,102.1 129.6,102.1 128.9,101.4
  pour cut-out: 21.8,-35.2 53,-35.2 53,-36.75 21.8,-36.75
  region net NetC52_1_1: 96.25,34.25 97,34.25 97.5,34.75 99.25,34.75 99.5,34.5 99.5,33.5 100,33 101,33 101,32 97.25,32 96.25,33
  text ".Layer_Name" at 1.25,138.325 h1.5
  text "sprawdzic reguly projektowe / sprawdzic zgodnosc ze schematem / -- uklady U3 maja piny od 14 do 17 nigdzie nie dolaczone. Gdzie to ma byc ?? / dopasowac reguly projektowe do minimalnej liczby naruszen / przygotowac raport impedancyjny" at 207.8,100.9 h1
RF_Layer_1:
  text ".Layer_Name" at 1.25,138.325 h1.5
RF_Layer_3:
  text "poprawic pozycje LEDow" at 154.5,-40 h1
Bottom Layer:
  rectangle net NetC50_2_2: 92.5,60.3 93.2,60.9
  rectangle net NetC51_2_2: 92.5,62.3 93.2,62.9
  rectangle net VCCP_12V: 41.6,106.6 47,109.8
  rectangle net VCCP_12V: 41.6,92.5 43.6,108.6
  rectangle net VCCP_12V: 41.6,92.5 45.7,94.8
  rectangle net VCCP_12V: 45.7,107.9 67.8,109.8
  rectangle net VCCP_12V: 89.5,105.1 95,107.5
  rectangle net VCCP_12V: 89.5,95.9 91.9,107.5
  rectangle net VCCP_12V: 85.5,95.9 91.5,99
  rectangle net VCCP_3V6: 95.7,93 100.7,98.5
  rectangle net VCCP_12V: 91.7,105.1 98,107.5
  rectangle net VCCN_12VA: 70.7,101.5 77,103.5
  rectangle net VCCP_12V: 62.4,106.6 67.8,108.6
  rectangle net VCCP_12V: 22.7,49.2 25.4,53
  region net VCCP_6V0A: 95.14,-20.54 94.14,-20.54 94.14,-22.64 95.14,-22.64
  rectangle net VCCP_12V: 45.7,92.5 51,94.8
  rectangle net VCCP_6V0A: 54,92.5 56.4,96
  rectangle net VCCP_12V: 45.7,106.6 51,108.6
  rectangle net VCCN_6V0A: 54,101.5 59.2,103.7
  rectangle net VCCP_6V0A: 56.4,92.5 59.3,94.9
  rectangle net VCCP_12V: 62.4,92.5 67.8,94.7
  rectangle net VCCP_12VA: 70.7,92.5 77.3,96
  rectangle net NetC51_1_2: 92.413,37.25 93,37.85
  rectangle net NetC6_2: 169.25,-25.75 175,-24
  rectangle net NetC6_2: 169.5,-16.25 175.25,-14.5
  rectangle net NetC5_2: 169.25,-10.75 175,-9
  rectangle net NetC5_2: 169.25,-1 175,0.75
  rectangle net NetC4_2: 169.25,4.25 175,6
  rectangle net NetC4_2: 169.25,14 175,15.75
  rectangle net NetC3_2: 169.25,19.25 175,21
  rectangle net NetC3_2: 169.25,29 175,30.75
  rectangle net NetC2_2: 169.25,34.25 175,36
  rectangle net NetC2_2: 169.5,44 175.25,45.75
  rectangle net NetC1_2: 169.25,49.25 175,51
  rectangle net NetC1_2: 169.25,59 175,60.75
  region net NetC37_1: 61.75,91.55 56.25,91.55 56.25,89.3 61.75,89.3
  region net NetC37_1: 61.75,84.55 56.25,84.55 56.25,81.3 61.75,81.3
  rectangle net NetC50_1_2: 92.4,35.3 93.1,35.9
  pour cut-out: 56.315,84.26 56.315,89.34 61.5,89.34 61.5,84.26
  pour cut-out: 56.463,67.41 61.543,67.41 61.543,62.33 56.463,62.33
  region net NetC18_1: 145.1,63.1 145.1,63.85 146.4,65.15 147,64.55 147,64 146.5,63.5 146.5,63 146.1,62.6 145.6,62.6
  region net NetC18_1: 145,57.5 145,57.6 145.5,58.1 146.458,58.1 146.75,57.808 146.7,57.758 146.7,57.3 145.05,57.3
  region net NetC52_2_1: 98.1,58.4 98.2,58.4 98.7,58.9 98.75,58.85 99.35,58.85 99.6,58.6 99.6,57.8 99.3,57.5 98.4,57.5 98.1,57.8
  region net NetC52_2_1: 98.1,63.9 98.1,64.4 98.4,64.7 99.9,64.7 99.4,64.2 99.4,63.5 99.2,63.3 98.7,63.3
  region net NetC52_1_1: 99.2,38.4 100,39.2 100,40.25 98.95,40.25 98.1,39.4 98.1,38.7 98.45,38.35
  region net NetC52_1_1: 98,32.7 99.186,32.7 99.368,32.882 99.368,33.632 99.15,33.85 98.242,33.85 98.05,33.658
  region net IN_SEL_1: 92.47,32.67 93,33.2 93,33.9 92.1,33.9 91.8,33.6 91.8,33.27 91.2,32.67
  text ".Layer_Name" at 1.25,138.325 h1.5
GND_PWR_Plane (plane layer: these items are gaps in the copper):
  lines w0.254: 45.2,90.1 88,90.1 88,99 85.5,99 85.5,93.9 85.5,92.4 68.6,92.4 68.6,94.4 62.1,94.4 62.1,92.3 51.5,92.3 51.5,94.3 45.2,94.3 ; 45.5,94.3 22.6,94.3 22.6,48.3 25.7,48.3 25.7,90.1 46.7,90.1 ; 139.7,80 139.7,99.8 126.8,99.8 126.8,105.2 143.3,105.2 ; 139.7,80.1 139.7,77.5 148.2,77.5 148.2,59.5 130.2,59.5 130.2,61.8 105.1,61.8 105.1,56.8 100.4,56.8 100.4,58.5 77.4,58.5 77.4,62.5 74.7,62.5 74.7,53.2 151.5,53.2 151.5,53.3 151.5,59.5 151.5,80.1 142.9,80.1 142.9,105.292 143.392,105.292
GND_PWR_Plane_2 (plane layer: these items are gaps in the copper):
  lines w0.2: 84.4,95.6 85.4,95.6 85.3,95.7 85.3,102.1
  lines w0.254: 77.9,94.2 70.3,94.2 ; 82,95.6 82,102.1 ; 84.4,95.6 84.4,69.2 83.4,69.2 83.4,26.9 97.3,26.9 97.3,-18.1 95.4,-20 ; 85.3,102.1 85.3,108.2 56.4,108.2 56.4,101.5 61.1,101.5 61.1,106.1 71.1,106.1 ; 117.6,-13.7 115.4,-13.7 115.4,-16.6 117.3,-16.6 119.7,-16.6 119.7,55.6 ; 70.3,94.2 70.3,95 60.2,95 60.2,91.8 53.5,91.8 53.5,96.8 71.1,96.8 71.1,106.1 ; 70.3,94.2 70.3,89.2 76.8,89.2 76.8,21.5 91.9,21.5 91.9,-12 89.5,-12 89.5,-23 93.1,-23 ; 71.1,106.1 81.9,106.1 81.9,26 96,26 96,-16.4 93.8,-18.6 93.8,-20 95.4,-20 ; 93.1,-23 93.1,-19.8 ; 93.1,-23 95.4,-23 95.4,-20 ; 93.1,-19.8 93.1,-16.5 94.5,-16.5 94.5,24.6 82.1,24.6 80.3,24.6 80.3,103.2 72.7,103.2 72.7,100.7 77.9,100.7 77.9,22.7 82.1,22.7 93,22.7 93,-15.7 91.7,-15.7 91.7,-18.2 91.7,-19.8 93.1,-19.8
  lines w0.3: 117.6,-13.7 117.6,29.25 101.5,29.25 101.5,35 117.6,35 117.6,53.5 100.5,53.5 100.5,57.75 117.6,57.75 119.75,57.75 119.75,55.6 119.7,55.6

## Silkscreen, mask and mechanical layers (free items; w line width, h text height)
Top Overlay:
  drawing of 1229 lines, arcs and shapes, not listed
  text ".Layer_Name" at 1.25,138.325 h1.5
  text "eRTM15 Baikal" at 114.25,10.75 h1.52
  text "Rev. 1.0" at 106.25,6.75 h1
Bottom Overlay:
  circle w0.254: c-5,-42.05 r1.5
  circle w0.254: c-5,-42.05 r3
  circle w0.254: c186,119.95 r1.5
  circle w0.254: c186,119.95 r3
  circle w0.254: c-5,119.95 r1.5
  circle w0.254: c-5,119.95 r3
  lines w0.2: -9,-42.05 -1,-42.05 ; -9,119.95 -1,119.95 ; -5,-46.05 -5,-38.05 ; -5,115.95 -5,123.95 ; 182,119.95 190,119.95 ; 186,115.95 186,123.95
  lines w0.5: 75.84,-22.44 75.84,20.56 155.84,20.56 155.84,-22.44 75.84,-22.44
  text ".Layer_Name" at 1,137.95 h1.5
  text "POWER" at 90.75,93.75 h1.52
  text "REF IN" at 167.5,47 h1.52
  text "IN_SEL" at 135.75,44.75 h1.52
  text "IN_SEL_2" at 135.75,42.25 h1.52
  text "IN_SEL_1" at 135.75,39.75 h1.52
  text "EN CLK MEZZ." at 135.75,37.25 h1.52
  text "REF OUT" at 167.5,31.75 h1.52
  text "HF CLK IN" at 169.75,17 h1.52
  text "HF CLK OUT" at 171.25,2 h1.52
  text "LO OUT" at 167.5,-12.25 h1.52
  text "LO IN" at 167.5,-28 h1.52
Top Paste:
  circle w0.254: c-5,-42.05 r1.5
  circle w0.254: c-5,-42.05 r3
  circle w0.254: c186,119.95 r1.5
  circle w0.254: c186,119.95 r3
  circle w0.254: c-5,119.95 r1.5
  circle w0.254: c-5,119.95 r3
  lines w0.2: -9,-42.05 -1,-42.05 ; -9,119.95 -1,119.95 ; -5,-46.05 -5,-38.05 ; -5,115.95 -5,123.95 ; 182,119.95 190,119.95 ; 186,115.95 186,123.95
  text ".Layer_Name" at 1.25,138.325 h1.5
Bottom Paste:
  circle w0.254: c-5,-42.05 r1.5
  circle w0.254: c-5,-42.05 r3
  circle w0.254: c186,119.95 r1.5
  circle w0.254: c186,119.95 r3
  circle w0.254: c-5,119.95 r1.5
  circle w0.254: c-5,119.95 r3
  lines w0.2: -9,-42.05 -1,-42.05 ; -9,119.95 -1,119.95 ; -5,-46.05 -5,-38.05 ; -5,115.95 -5,123.95 ; 182,119.95 190,119.95 ; 186,115.95 186,123.95
  text ".Layer_Name" at 1.25,138.325 h1.5
Top Solder:
  circle w0.254: c-5,-42.05 r1.5
  circle w0.254: c-5,-42.05 r3
  circle w0.254: c-5,-42.05 r1.5
  circle w0.254: c-5,-42.05 r3
  circle w0.254: c-5,-42.05 r1.5
  circle w0.254: c-5,-42.05 r3
  circle w0.254: c186,119.95 r1.5
  circle w0.254: c186,119.95 r3
  circle w0.254: c-5,119.95 r1.5
  circle w0.254: c-5,119.95 r3
  lines w0.2: -9,119.95 -1,119.95 ; -5,115.95 -5,123.95 ; 182,119.95 190,119.95 ; 186,115.95 186,123.95 ; -9,-42.05 -1,-42.05 ; -9,-42.05 -1,-42.05 ; -9,-42.05 -1,-42.05 ; -5,-46.05 -5,-38.05 ; -5,-46.05 -5,-38.05 ; -5,-46.05 -5,-38.05
  text ".Layer_Name" at 1.25,138.325 h1.5
Bottom Solder:
  circle w0.254: c-5,-42.05 r1.5
  circle w0.254: c-5,-42.05 r3
  circle w0.254: c186,119.95 r1.5
  circle w0.254: c186,119.95 r3
  circle w0.254: c-5,119.95 r1.5
  circle w0.254: c-5,119.95 r3
  lines w0.2: -9,-42.05 -1,-42.05 ; -9,119.95 -1,119.95 ; -5,-46.05 -5,-38.05 ; -5,115.95 -5,123.95 ; 182,119.95 190,119.95 ; 186,115.95 186,123.95
  text ".Layer_Name" at 1.25,138.325 h1.5
Drill Guide:
  circle w0.254: c-5,-42.05 r1.5
  circle w0.254: c-5,-42.05 r3
  circle w0.254: c186,119.95 r1.5
  circle w0.254: c186,119.95 r3
  circle w0.254: c-5,119.95 r1.5
  circle w0.254: c-5,119.95 r3
  lines w0.2: -9,-42.05 -1,-42.05 ; -9,119.95 -1,119.95 ; -5,-46.05 -5,-38.05 ; -5,115.95 -5,123.95 ; 182,119.95 190,119.95 ; 186,115.95 186,123.95
  text ".Layer_Name" at 1.25,138.325 h1.5
Mechanical 1:
  circle w0.1: c152.5,115.75 r0.2
  circle w0.1: c152.5,113.75 r0.2
  circle w0.1: c149,116.75 r0.5
  circle w0.1: c151,116.75 r0.5
  circle w0.1: c151,112.75 r0.5
  circle w0.1: c149,112.75 r0.5
  circle w0.254: c-5,-42.05 r1.5
  circle w0.254: c-5,-42.05 r3
  circle w0.254: c186,119.95 r1.5
  circle w0.254: c186,119.95 r3
  circle w0.254: c-5,119.95 r1.5
  circle w0.254: c-5,119.95 r3
  lines w0.1: 149,113.25 149,113.35 149,113.75 152.3,113.75 ; 149,116.25 149,115.75 152.3,115.75 ; 151,113.25 151,113.75 ; 151,115.75 151,116.25 ; 152.7,115.65 153.3,114.15
  lines w0.2: -9,-42.05 -1,-42.05 ; -9,119.95 -1,119.95 ; -5,-46.05 -5,-38.05 ; -5,115.95 -5,123.95 ; 182,119.95 190,119.95 ; 186,115.95 186,123.95
  text ".Layer_Name" at 1.25,138.325 h1.5
  text "D" at 148.8,116.45 h0.8
  text "B" at 150.8,116.45 h0.8
  text "C" at 148.8,112.55 h0.8
  text "A" at 150.8,112.55 h0.8
Part Comments Top:
  circle w0.254: c-5,-42.05 r1.5
  circle w0.254: c-5,-42.05 r3
  circle w0.254: c186,119.95 r1.5
  circle w0.254: c186,119.95 r3
  circle w0.254: c-5,119.95 r1.5
  circle w0.254: c-5,119.95 r3
  lines w0.2: -9,-42.05 -1,-42.05 ; -9,119.95 -1,119.95 ; -5,-46.05 -5,-38.05 ; -5,115.95 -5,123.95 ; 182,119.95 190,119.95 ; 186,115.95 186,123.95
  text ".Layer_Name" at 1,137.95 h1.5
Part Comments Bot:
  circle w0.254: c-5,-42.05 r1.5
  circle w0.254: c-5,-42.05 r3
  circle w0.254: c186,119.95 r1.5
  circle w0.254: c186,119.95 r3
  circle w0.254: c-5,119.95 r1.5
  circle w0.254: c-5,119.95 r3
  lines w0.2: -9,-42.05 -1,-42.05 ; -9,119.95 -1,119.95 ; -5,-46.05 -5,-38.05 ; -5,115.95 -5,123.95 ; 182,119.95 190,119.95 ; 186,115.95 186,123.95
  text ".Layer_Name" at 1,137.95 h1.5
  text "polozenie switcha" at 123.6,114.4 h1.52
  text "polozenie ledow" at 155.6,-40.9 h1.52
Overlay Bottom Cells:
  circle w0.254: c-5,-42.05 r1.5
  circle w0.254: c-5,-42.05 r3
  circle w0.254: c186,119.95 r1.5
  circle w0.254: c186,119.95 r3
  circle w0.254: c-5,119.95 r1.5
  circle w0.254: c-5,119.95 r3
  lines w0.2: -9,-42.05 -1,-42.05 ; -9,119.95 -1,119.95 ; -5,-46.05 -5,-38.05 ; -5,115.95 -5,123.95 ; 182,119.95 190,119.95 ; 186,115.95 186,123.95
  text ".Layer_Name" at 1,137.95 h1.5
Mechanical 13:
  circle w0.254: c-5,-42.05 r1.5
  circle w0.254: c-5,-42.05 r3
  circle w0.254: c186,119.95 r1.5
  circle w0.254: c186,119.95 r3
  circle w0.254: c-5,119.95 r1.5
  circle w0.254: c-5,119.95 r3
  lines w0.2: -9,-42.05 -1,-42.05 ; -9,119.95 -1,119.95 ; -5,-46.05 -5,-38.05 ; -5,115.95 -5,123.95 ; 182,119.95 190,119.95 ; 186,115.95 186,123.95
  text ".Layer_Name" at 1.25,138.325 h1.5
Mechanical 15:
  circle w0.254: c-5,-42.05 r1.5
  circle w0.254: c-5,-42.05 r3
  circle w0.254: c186,119.95 r1.5
  circle w0.254: c186,119.95 r3
  circle w0.254: c-5,119.95 r1.5
  circle w0.254: c-5,119.95 r3
  lines w0.2: -9,-42.05 -1,-42.05 ; -9,119.95 -1,119.95 ; -5,-46.05 -5,-38.05 ; -5,115.95 -5,123.95 ; 182,119.95 190,119.95 ; 186,115.95 186,123.95
  text ".Layer_Name" at 1.25,138.325 h1.5
Measurement Layer:
  circle w0.254: c-5,119.95 r1.5
  circle w0.254: c-5,119.95 r3
  circle w0.254: c-5,-42.05 r1.5
  circle w0.254: c-5,-42.05 r3
  circle w0.254: c186,119.95 r1.5
  circle w0.254: c186,119.95 r3
  circle w0.254: c186,119.95 r1.5
  circle w0.254: c186,119.95 r3
  circle w0.254: c-5,119.95 r1.5
  circle w0.254: c-5,119.95 r3
  lines w0.1: -26.5,0 218.5,0 ; 0,-56.75 0,133.1
  lines w0.2: -9,-42.05 -1,-42.05 ; -5,-46.05 -5,-38.05 ; -9,119.95 -1,119.95 -9,119.95 ; -5,115.95 -5,123.95 -5,115.95 ; 182,119.95 190,119.95 182,119.95 ; 186,115.95 186,123.95 186,115.95
  text ".Layer_Name" at 1,137.95 h1.5
  text "J1" at 0.7,131.65 h1.5
  text "L1" at 214.55,1.125 h1.5
  text "L1" at -25.45,0.925 h1.5
  text "J1" at -2.3,-55.95 h1.5
Drill Drawing:
  circle w0.254: c-5,119.95 r3
  circle w0.254: c-5,119.95 r1.5
  circle w0.254: c-5,-42.05 r3
  circle w0.254: c-5,-42.05 r1.5
  circle w0.254: c186,119.95 r3
  circle w0.254: c186,119.95 r1.5
  circle w0.254: c186,119.95 r1.5
  circle w0.254: c186,119.95 r3
  circle w0.254: c-5,119.95 r1.5
  circle w0.254: c-5,119.95 r3
  lines w0.05: 166.4,-36.75 22.8,-36.75 cw(c22.8,-35.75) 21.8,-35.75 21.8,-26 ccw(c20.8,-26) 20.8,-25 20.5,-25 cw(c20.5,-24) 19.5,-24 19.5,36.5 cw(c20.5,36.5) 20.5,37.5 20.8,37.5 ccw(c20.8,38.5) 21.8,38.5 21.8,47.35 21.8,49.35 21.8,108 21.8,110 21.8,110.75 cw(c22.8,110.75) 22.8,111.75 157.4,111.75 cw(c157.4,110.75) 158.4,110.75 158.4,110.149 166.65,110.149 166.65,110.649 ; 166.404,-36.751 ccw(c166.404,-35.751) 167.404,-35.751 174.004,-35.751 ccw(c174.004,-34.751) 175.004,-34.751 175.004,-32.546 ; 166.65,110.65 180,110.65 ; 175,-32.55 cw(c176,-32.55) 176,-31.55 180,-31.55 ccw(c180,-30.55) 181,-30.55 181,-25.75 ccw(c180,-25.75) 180,-24.75 cw(c180,-23.75) 179,-23.75 179,58.75 cw(c180,58.75) 180,59.75 ccw(c180,60.75) 181,60.75 181,109.65 ccw(c180,109.65) 180,110.65 ; 154.904,106.149 cw(c154.904,106.949) 154.904,107.749 163.904,107.749 cw(c163.904,106.949) 163.904,106.149 154.904,106.149
  lines w0.2: -9,-42.05 -1,-42.05 ; -5,-46.05 -5,-38.05 ; -9,119.95 -1,119.95 -9,119.95 ; -5,115.95 -5,123.95 -5,115.95 ; 182,119.95 190,119.95 182,119.95 ; 186,115.95 186,123.95 186,115.95
  text ".Layer_Name" at 1.25,138.325 h1.5

## Dimensions
20.5,36.5 to 14.25,40.7 on Measurement Layer
-26.5,0 to 23.3,74.85 on Measurement Layer
166.4,-36.75 to 157.4,111.75 on Measurement Layer
-26.5,0 to 29.5,-21.75 on Measurement Layer
21.8,110.75 to 181,-25.75 on Measurement Layer
0,133.1 to 166.65,110.649 on Measurement Layer
22.8,-35.75 to 18.982,-39.568 on Measurement Layer
20.5,-24 to 17.005,-27.495 on Measurement Layer
-26.5,0 to 22.8,-36.75 on Measurement Layer
157.4,110.75 to 162.138,115.488 on Measurement Layer
180,109.65 to 183.946,113.596 on Measurement Layer
163.904,106.949 to 170.357,113.403 on Measurement Layer
180,-30.55 to 188.647,-38.497 on Measurement Layer
174.004,-34.751 to 180.054,-40.802 on Measurement Layer
166.404,-35.751 to 173.366,-42.713 on Measurement Layer
23.3,49.85 to -26.5,0 on Measurement Layer
0,133.1 to 21.8,110.75 on Measurement Layer
0,133.1 to 158.4,110.75 on Measurement Layer
0,133.1 to 163.904,107.749 on Measurement Layer
0,133.1 to 154.904,107.749 on Measurement Layer
-26.5,0 to 20.5,37.5 on Measurement Layer
218.5,0 to 180,110.65 on Measurement Layer
218.5,0 to 174.004,-35.751 on Measurement Layer
-26.5,0 to 20.5,-25 on Measurement Layer
0,-56.75 to 19.5,-24 on Measurement Layer
0,-56.75 to 175.004,-34.751 on Measurement Layer
0,-56.75 to 167.404,-35.751 on Measurement Layer
0,-59.95 to 21.8,-35.75 on Measurement Layer
218.5,-0.05 to 180,-31.55 on Measurement Layer
218.5,0 to 166.65,110.149 on Measurement Layer
-26.5,0 to 22.8,111.75 on Measurement Layer
23.3,97.35 to 0,133.1 on Measurement Layer

## Text inside footprints (layer, text, board x,y; h text height)
IC3: Mechanical 14 "6" at 66.197,108.524 h0.4; Mechanical 14 "5" at 67.467,108.524 h0.4; Mechanical 14 "4" at 68.737,108.524 h0.4; Mechanical 14 "7" at 64.927,108.524 h0.4; Mechanical 14 "3" at 70.007,108.524 h0.4; Mechanical 14 "2" at 71.277,108.524 h0.4; Mechanical 14 "1" at 72.547,108.524 h0.4; Mechanical 14 "J" at 73.69,96.713 h0.4; Mechanical 14 "A" at 73.69,106.873 h0.4; Mechanical 14 "B" at 73.69,105.603 h0.4; Mechanical 14 "C" at 73.69,104.333 h0.4; Mechanical 14 "D" at 73.69,103.063 h0.4; Mechanical 14 "E" at 73.69,101.793 h0.4; Mechanical 14 "F" at 73.69,100.523 h0.4; Mechanical 14 "G" at 73.69,99.253 h0.4; Mechanical 14 "H" at 73.69,97.983 h0.4; Mechanical 14 "K" at 73.69,95.443 h0.4; Mechanical 14 "L" at 73.69,94.173 h0.4
IC4: Mechanical 14 "6" at 49.527,108.624 h0.4; Mechanical 14 "5" at 50.797,108.624 h0.4; Mechanical 14 "4" at 52.067,108.624 h0.4; Mechanical 14 "7" at 48.257,108.624 h0.4; Mechanical 14 "3" at 53.337,108.624 h0.4; Mechanical 14 "2" at 54.607,108.624 h0.4; Mechanical 14 "1" at 55.877,108.624 h0.4; Mechanical 14 "J" at 57.02,96.813 h0.4; Mechanical 14 "A" at 57.02,106.973 h0.4; Mechanical 14 "B" at 57.02,105.703 h0.4; Mechanical 14 "C" at 57.02,104.433 h0.4; Mechanical 14 "D" at 57.02,103.163 h0.4; Mechanical 14 "E" at 57.02,101.893 h0.4; Mechanical 14 "F" at 57.02,100.623 h0.4; Mechanical 14 "G" at 57.02,99.353 h0.4; Mechanical 14 "H" at 57.02,98.083 h0.4; Mechanical 14 "K" at 57.02,95.543 h0.4; Mechanical 14 "L" at 57.02,94.273 h0.4
IC6: Mechanical 14 "6" at 102.593,92.746 h0.4 r180; Mechanical 14 "5" at 101.323,92.746 h0.4 r180; Mechanical 14 "4" at 100.053,92.746 h0.4 r180; Mechanical 14 "7" at 103.863,92.746 h0.4 r180; Mechanical 14 "3" at 98.783,92.746 h0.4 r180; Mechanical 14 "2" at 97.513,92.746 h0.4 r180; Mechanical 14 "1" at 96.243,92.746 h0.4 r180; Mechanical 14 "J" at 95.1,104.557 h0.4 r180; Mechanical 14 "A" at 95.1,94.397 h0.4 r180; Mechanical 14 "B" at 95.1,95.667 h0.4 r180; Mechanical 14 "C" at 95.1,96.937 h0.4 r180; Mechanical 14 "D" at 95.1,98.207 h0.4 r180; Mechanical 14 "E" at 95.1,99.477 h0.4 r180; Mechanical 14 "F" at 95.1,100.747 h0.4 r180; Mechanical 14 "G" at 95.1,102.017 h0.4 r180; Mechanical 14 "H" at 95.1,103.287 h0.4 r180; Mechanical 14 "K" at 95.1,105.827 h0.4 r180; Mechanical 14 "L" at 95.1,107.097 h0.4 r180
J1: Drill Drawing "r0.6" at 171.586,52.767 h1 r180; Drill Drawing "8.6" at 173.812,56.609 h1 r180; Drill Drawing "7.1" at 176.939,55.244 h1 r90; Mechanical 8 "2.5mm" at 177.05,53.75 h1 r180; Mechanical 8 "3mm" at 182.1,53.725 h1 r180
J3: Drill Drawing "r0.6" at 171.586,37.767 h1 r180; Drill Drawing "8.6" at 173.812,41.609 h1 r180; Drill Drawing "7.1" at 176.939,40.244 h1 r90; Mechanical 8 "2.5mm" at 177.05,38.75 h1 r180; Mechanical 8 "3mm" at 182.1,38.725 h1 r180
J4: Drill Drawing "r0.6" at 171.586,22.767 h1 r180; Drill Drawing "8.6" at 173.812,26.609 h1 r180; Drill Drawing "7.1" at 176.939,25.244 h1 r90; Mechanical 8 "2.5mm" at 177.05,23.75 h1 r180; Mechanical 8 "3mm" at 182.1,23.725 h1 r180
J5: Drill Drawing "r0.6" at 171.586,7.767 h1 r180; Drill Drawing "8.6" at 173.812,11.609 h1 r180; Drill Drawing "7.1" at 176.939,10.244 h1 r90; Mechanical 8 "2.5mm" at 177.05,8.75 h1 r180; Mechanical 8 "3mm" at 182.1,8.725 h1 r180